# KiCad board SlowLampLEDPanel.kicad_pcb (continued)
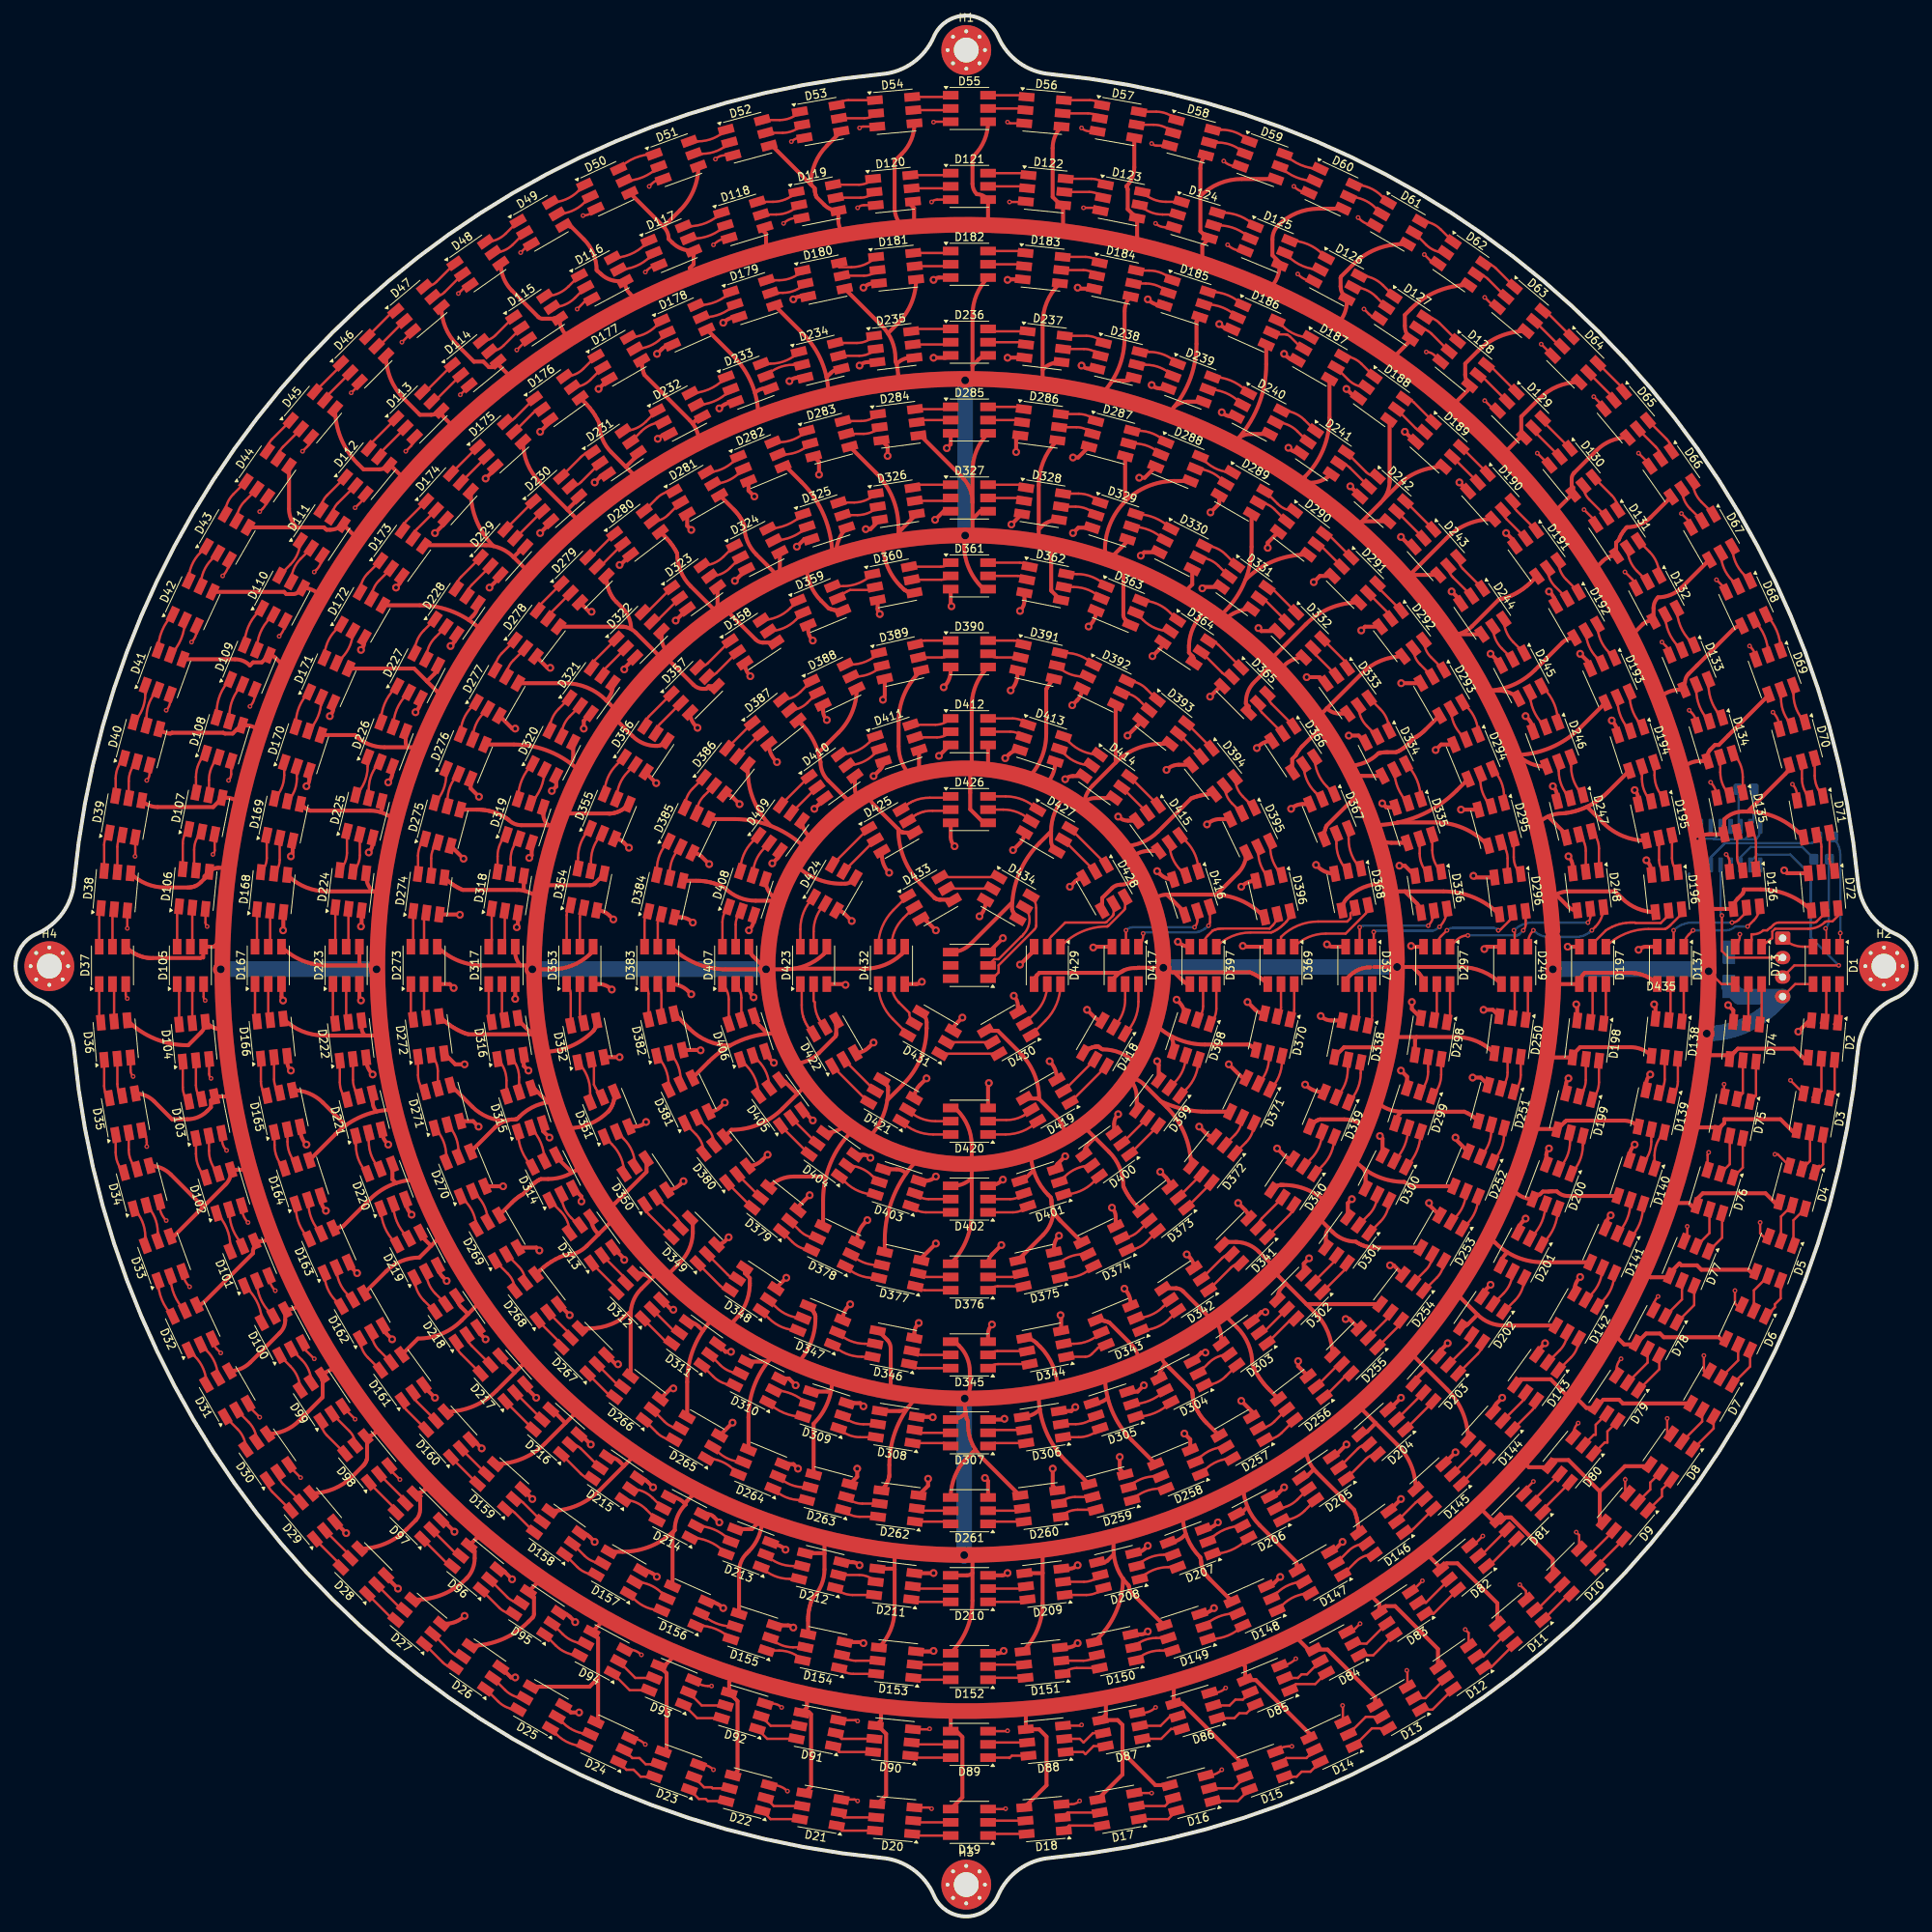
[diagram p0: board, top side]
## Routing (per net, layer and track width the routed paths; a pad name or vN(x,y) marks a point on that pad's centre or on a via; arc(x,y) is an arc through that point) (continued)
  Top w0.5: v3(219.84,116.98) 220.5,116.32 D74.3 ; v3(87.54,152.58) 87.3,152.82 arc(86.77,153.61) D357.3 ; v3(97.34,109.58) 96.55,110.37 arc(96.34,110.68) D406.3 ; v3(66.34,53.58) 65.19,54.73 arc(65.15,54.79) D159.3 ; D312.3 84.19,77.88 v3(84.44,77.88) ; v3(117.74,64.08) 117.69,64.12 D308.3 ; v3(144.84,68.18) 144.03,67.37 D305.3 ; D351.3 79.49,101.38 arc(80.27,101.53) v3(80.94,101.98) ; D196.3 210,133.97 arc(209.83,134.84) v3(209.34,135.58) ; v3(73.94,167.48) 73.64,167.48 D279.3 ; v3(161.94,98.58) 162.81,97.7 arc(163.33,97.36) D340.3 ; v3(176.44,83.58) 176.91,83.58 D254.3 ; D337.3 169.06,124.48 arc(168.67,124.56) v3(168.34,124.78) ; v3(155.74,109.38) 157.14,107.97 arc(157.53,107.71) D371.3 ; D333.3 167.4,159.08 v3(165.74,159.08) ; D399.3 146.74,109.28 arc(146.69,109.55) v3(146.54,109.78) ; v3(60.34,74.08) 59.76,74.65 arc(59.47,75.1) D218.3 ; D247.3 197.89,143.75 arc(197.74,144.47) v3(197.34,145.08) ; D27.3 55.21,37.57 arc(56.52,37.84) v3(57.64,38.58) ; v3(184.84,99.98) 184.84,99.78 D252.3 ; D374.3 141.22,89.82 arc(141.09,90.45) v3(140.74,90.98) ; v3(97.74,148.18) 97.59,148.32 arc(96.92,149.33) D387.3 ; D300.3 175.47,99.84 v3(175.14,100.18) ; v3(68.64,160.28) 68.26,160.28 D278.3 ; v3(55.34,81.58) 54.84,82.08 arc(54.38,82.76) D219.3 ; v3(200.84,162.08) 201.7,161.22 arc(202.02,160.74) D193.3 ; D150.3 144.44,36.21 arc(144.93,36.3) v3(145.34,36.58) ; D297.3 179.24,124.48 v3(179.14,124.58) ; D280.3 77.63,173.48 v3(77.54,173.48) ; v3(188.44,116.38) 189.63,116.38 D250.3 ; v3(97.14,135.18) 97.71,135.75 arc(98.02,136.22) D409.3 ; D408.3 94.78,128.13 arc(94.61,127.29) v3(94.14,126.58) ; D214.3 88.84,51.63 arc(89.25,51.55) 89.6,51.32 v3(90.34,50.58) ; D311.3 91.13,72.48 v3(91.84,72.48) ; D199.3 199.04,106.85 arc(199.11,107.25) v3(199.34,107.58) ; D26.3 63.59,30.68 v3(64.14,30.68) ; D220.3 50.08,91.92 arc(50.27,90.92) v3(50.84,90.08) ; D25.3 71.27,26.18 v3(72.34,26.18) ; D434.3 124.51,130.24 arc(124.31,129.23) v3(123.74,128.38) ; D234.3 100.42,197.53 arc(99.84,197.41) v3(99.34,197.08) ; v3(177.84,177.08) 178.88,176.04 arc(179.14,175.86) D243.3 ; v3(136.04,65.38) 135.53,64.87 D306.3 ; v3(111.94,187.48) 111.94,188.69 D284.3 ; D270.3 v3(62.58,93.72) ; D407.3 94.14,119.43 arc(94.29,118.64) v3(94.74,117.98) ; D293.3 v3(177.87,158.31) ; D276.3 58.42,144.8 v3(59.49,143.73) 59.54,143.68 ; v3(162.84,200.58) 163.07,200.34 arc(163.73,199.9) D187.3 ; D259.3 141.74,57.42 v3(141.74,58.98) ; D211.3 117.79,44.06 arc(117.82,44.07) v3(117.84,44.08) ; v3(118.14,86.38) 116.46,84.7 arc(116.31,84.47) D377.3 ; D328.3 v3(127.83,178.68) 127.83,178.68 ; D154.3 108.52,35.21 arc(108.69,35.18) v3(108.84,35.08) ; D388.3 103.66,154.74 arc(103.78,154.11) v3(104.14,153.58) ; D29.3 v3(42.44,49.21) ; v3(196.84,170.08) 197.07,169.85 arc(197.54,169.14) D192.3 ; D223.3 44.14,118.06 arc(44.19,117.8) v3(44.34,117.58) ; D271.3 58.73,102.08 v3(59.44,101.38) ; D274.3 57,128.61 v3(57.04,128.58) ; D181.3 110.2,209.64 arc(109.46,209.5) v3(108.84,209.08) ; D275.3 v3(57.5,135.78) ; v3(48.84,170.58) 49.09,170.83 arc(49.46,171.39) D173.3 ; D332.3 159.92,165 v3(159.54,165.38) ; v3(73.84,60.58) 72.7,61.72 arc(72.52,61.84) D216.3 ; D296.3 187.34,133.37 v3(187.14,133.58) ; v3(57.64,109.38) 56.44,109.38 D272.3 ; v3(91.54,87.18) 91.01,86.66 arc(90.54,86.34) D349.3 ; v3(86.74,118.38) 86.36,118.76 arc(85.34,119.44) D383.3 ; D426.3 120.04,138.59 arc(120.17,137.93) v3(120.54,137.38) ; D324.3 v3(92.34,171.44) ; v3(144.24,184.68) 144.94,184.68 D288.3 ; D240.3 156.17,192.53 arc(155.45,192.67) v3(154.84,193.08) ; v3(82.34,200.58) 82.96,201.2 arc(83.59,201.62) D178.3 ; D326.3 109.74,178.08 v3(109.14,178.08) ; v3(193.84,89.58) 193.46,89.2 arc(193.03,88.56) D201.3 ; D72.3 227.41,133.91 v3(227.04,134.28) ; D168.3 34.37,126.66 arc(34.36,126.62) v3(34.34,126.58) ; D314.3 72.64,92.42 v3(72.64,91.78) ; v3(177.84,108.58) 178.63,107.79 D299.3 ; v3(187.04,107.68) 188.07,107.68 D251.3 ; v3(92.04,63.38) 90.4,61.75 arc(90.39,61.73) D265.3 ; v3(64.14,152.48) 63.76,152.48 D277.3 ; 182.14,149.58 v3(182.29,149.73) 182.99,150.43 D294.3 ; v3(48.34,74.08) 47.59,74.82 arc(47.28,75.3) D162.3 ; D361.3 120.04,168.42 arc(120.06,168.29) v3(120.14,168.18) ; v3(137.74,165.58) 137.94,165.79 arc(138.51,166.63) D363.3 ; v3(135.34,132.18) 136.03,132.87 arc(136.51,133.19) D428.3 ; v3(157.34,66.18) 158.67,64.85 D257.3 ; D185.3 147.22,206.8 arc(146.2,207) v3(145.34,207.58) ; v3(71.84,37.78) 71.16,38.46 arc(70.54,38.87) D95.3 ; v3(117.84,200.08) 119.31,200.08 arc(119.7,200.16) D236.3 ; D210.3 126.61,43.78 arc(127,43.86) v3(127.34,44.08) ; v3(74.84,196.08) 76.04,197.28 arc(76.11,197.33) D177.3 ; D268.3 v3(71.13,77.18) ; v3(126.94,63.88) 126.84,63.78 D307.3 ; v3(65.84,108.58) 65.23,109.19 D316.3 ; D180.3 100.73,207.95 arc(100.25,207.85) v3(99.84,207.58) ; D227.3 51.99,156.16 arc(51.82,155.3) v3(51.34,154.58) ; D167.3 34.14,118.06 arc(34.19,117.8) v3(34.34,117.58) ; v3(151.94,101.38) 152.79,100.53 arc(153.29,100.19) D372.3 ; D151.3 134.97,34.51 arc(135.71,34.66) v3(136.34,35.08) ; D235.3 109.4,199.52 arc(108.82,199.4) v3(108.34,199.08) ; 126.94,148.58 v3(127.04,148.68) 127.52,149.17 arc(128.15,149.59) D413.3 ; D353.3 74.85,119.68 arc(75.76,119.5) v3(76.54,118.98) ; v3(53.84,66.58) 52.57,67.84 arc(52.45,68.02) D161.3 ; v3(191.34,177.58) 192.09,176.83 arc(192.36,176.41) D191.3 ; v3(152.34,170.48) 152.51,170.66 D331.3 ; D172.3 44.77,163.62 arc(44.66,163.06) v3(44.34,162.58) ; D420.3 124.84,106.74 arc(124.86,106.87) v3(124.94,106.98) ; D343.3 143.14,78.65 arc(142.93,79.69) v3(142.34,80.58) ; v3(109.34,89.38) 109.04,89.08 arc(108.26,87.91) D378.3 ; D395.3 154.58,140.86 arc(153.69,140.68) v3(152.94,140.18) ; v3(128.44,187.98) 128.44,189.57 D286.3 ; v3(185.34,184.08) 186.44,182.98 arc(186.45,182.96) D190.3 ; v3(177.64,134.88) 178.33,134.88 D336.3 ; v3(160.44,77.58) 159.9,77.58 D303.3 ; D400.3 141.01,101.71 arc(141.15,102.4) v3(141.54,102.98) ; v3(47.84,99.08) 47.75,99.17 arc(47.19,100.01) D221.3 ; 200.74,124.49 D197.3 v3(199.24,124.48) ; v3(118.04,179.28) 119.14,180.38 D327.3 ; v3(126.74,94.58) 126.71,94.56 arc(125.85,93.98) D402.3 ; v3(96.54,97.78) 95.85,97.1 arc(95,96.52) D380.3 ; D249.3 188.84,124.48 v3(188.54,124.18) ; 153.34,180.18 v3(153.39,180.23) 154.51,181.35 D289.3 ; D321.3 72.94,153.48 v3(72.94,152.48) ; D339.3 167.87,105.81 arc(166.61,106.06) v3(165.54,106.78) ; v3(135.74,177.58) 136.43,178.27 D329.3 ; D325.3 101.24,176.78 v3(100.29,175.83) 100.24,175.78 ; D430.3 128.67,116.9 arc(128.53,117.59) v3(128.14,118.18) ; 84.74,166.28 v3(84.74,166.34) D323.3 ; D166.3 34.87,109.7 arc(34.99,109.09) v3(35.34,108.58) ; D330.3 144.87,175.11 v3(144.44,174.68) ; D287.3 136.4,187.28 v3(135.74,187.28) ; D362.3 129.51,168.95 arc(129.36,168.21) v3(128.94,167.58) ; D155.3 99.16,37.36 arc(99.53,37.29) v3(99.84,37.08) ; v3(126.54,86.18) 125.33,84.97 arc(124.97,84.43) D376.3 ; v3(142.74,151.58) 144.27,153.11 arc(144.4,153.3) D393.3 ; D2.3 230.29,115.03 v3(228.84,113.58) ; v3(74.34,48.08) 73.68,48.73 arc(73.13,49.1) D158.3 ; 133.14,57.58 v3(133.14,57.48) 133.14,55.27 D260.3 ; D273.3 55.74,119.68 v3(56.24,119.18) ; v3(68.54,99.98) 67.73,100.78 D315.3 ; v3(107.34,127.78) 106.37,128.74 arc(105.92,129.04) D424.3 ; v3(196.34,73.58) 195.57,72.81 arc(195.36,72.5) D143.3 ; v3(189.34,81.08) 188.53,80.27 arc(188.31,79.95) D202.3 ; D290.3 160.74,176.35 v3(160.74,175.68) ; D335.3 175.94,142.38 v3(175.44,142.88) ; v3(66.84,66.58) 65.68,67.74 arc(65.49,68.02) D217.3 ; D291.3 167.43,172.07 v3(166.64,171.28) ; D138.3 210.5,116.68 arc(210.46,116.89) v3(210.34,117.08) ; D375.3 133.3,85.84 arc(133.46,86.67) v3(133.94,87.38) ; D318.3 64.48,127.12 v3(64.34,126.98) ; D152.3 126.11,33.78 arc(126.5,33.86) v3(126.84,34.08) ; 127.94,136.78 v3(128.04,136.88) 128.96,137.8 arc(129.37,138.41) D427.3 ; D317.3 v3(64.14,117.78) ; v3(100.14,68.18) 99.27,69.04 D310.3 ; D390.3 120.04,159.95 arc(119.8,158.78) v3(119.14,157.78) ; v3(100.44,57.48) 99.86,58.06 D264.3 ; D238.3 137.8,198.68 arc(137.28,198.78) v3(136.84,199.08) ; D403.3 116.79,94.42 arc(117.52,94.57) v3(118.14,94.98) ; v3(171.54,92.08) 171.01,91.56 D301.3 ; v3(76.74,127.98) 76.25,128.46 arc(75.49,128.97) D354.3 ; v3(156.94,91.58) 157.86,90.66 arc(158.18,90.18) D341.3 ; v3(179.24,117.38) 179.24,116.49 D298.3 ; v3(108.04,57.48) 108.04,56.44 D263.3 ; v3(43.84,82.58) 42.96,83.46 arc(42.8,83.69) D163.3 ; D169.3 35.57,136.64 arc(35.51,136.33) v3(35.34,136.08) ; D359.3 101.74,165.23 arc(101.89,164.44) v3(102.34,163.78) ; D255.3 171.23,76.68 v3(170.74,76.68) ; v3(102.54,142.18) 103.82,143.46 arc(103.85,143.51) D410.3 ; v3(119.54,188.48) 120.04,188.98 D285.3 ; v3(181.44,91.58) 181.44,91.36 D253.3 ; D304.3 152.2,72.38 v3(152.74,72.38) ; D415.3 142.8,140.66 arc(142.12,140.79) v3(141.54,141.18) ; D239.3 146.89,196.14 arc(146.32,196.26) v3(145.84,196.58) ; D225.3 45.84,137.79 arc(45.71,137.13) v3(45.34,136.58) ; v3(170.34,48.08) 169.35,47.09 arc(169.04,46.88) D147.3 ; D269.3 66.87,85.85 v3(67.24,85.48) ; D153.3 117.67,34.01 arc(117.76,34.03) v3(117.84,34.08) ; v3(150.34,84.98) 150.7,84.61 arc(151.12,83.99) D342.3 ; v3(56.34,49.38) 55,50.72 arc(54.83,50.83) D97.3 ; v3(162.84,55.08) 162.1,54.34 arc(161.57,53.99) D206.3 ; D292.3 173.22,165.56 v3(172.74,165.08) ; v3(166.04,84.48) 165.36,83.8 D302.3 ; D171.3 40.79,155.18 arc(40.68,154.59) v3(40.34,154.08) ; D222.3 45,110.11 arc(45.22,109.01) v3(45.84,108.08) ; D338.3 168.91,115.01 arc(168.17,115.16) v3(167.54,115.58) ; D344.3 134.21,76.99 arc(134.19,77.09) v3(134.14,77.18) ; v3(121.54,115.38) 120.73,114.57 arc(120.46,114.17) D431.3 ; v3(110.14,112.18) 109.53,111.57 arc(108.73,111.04) D422.3 ; v3(53.84,177.58) 54.91,178.65 arc(55.13,178.99) D174.3 ; v3(59.84,60.08) 58.9,61.01 arc(58.68,61.16) D160.3 ; v3(86.74,177.98) 86.21,178.51 D281.3 ; v3(145.34,47.58) 145.01,47.25 arc(144.32,46.79) D208.3 ; 135.54,155.38 v3(135.64,155.48) 136.26,156.1 arc(136.73,156.8) D392.3 ; v3(153.34,156.58) 154.54,157.78 arc(154.7,157.89) D365.3 ; v3(65.94,135.88) 66.25,136.19 D319.3 ; D165.3 36.57,100.94 arc(36.77,99.93) v3(37.34,99.08) ; v3(85.74,94.38) 85.31,93.95 arc(84.53,93.43) D350.3 ; v3(81.84,55.08) 81.14,55.78 arc(80.59,56.15) D215.3 ; 176.44,65.18 v3(177.84,66.58) ; D283.3 103.14,186.74 v3(103.14,185.08) ; v3(184.84,59.58) 183.34,58.08 arc(183.32,58.07) D145.3 ; D209.3 135.28,44.64 arc(135.85,44.75) v3(136.34,45.08) ; D346.3 115.37,74.81 arc(115.52,75.55) v3(115.94,76.18) ; v3(98.94,81.98) 97.64,80.68 arc(97.61,80.64) D348.3 ; D391.3 128.62,159.51 arc(128.39,158.36) v3(127.74,157.38) ; D170.3 37.72,146 arc(37.62,145.5) v3(37.34,145.08) ; D139.3 209.31,106.8 arc(209.44,107.49) v3(209.84,108.08) ; D322.3 78.14,160.23 v3(78.14,160.08) ; D137.3 209.3,124.48 arc(208.78,124.38) v3(208.34,124.08) ; D309.3 108.43,65.89 v3(108.84,65.48) ; v3(78.14,84.28) 78.14,84.41 D313.3 ; D417.3 138.58,124.48 arc(138.45,124.45) v3(138.34,124.38) ; v3(84.44,67.78) 84.11,67.78 D266.3 ; v3(102.34,102.18) 101.06,103.46 arc(101.01,103.49) D405.3 ; D226.3 48.37,146.88 arc(48.23,146.17) v3(47.84,145.58) ; v3(145.94,161.78) 146.95,162.8 arc(147.19,163.15) D364.3 ; D295.3 v3(185.54,142.07) ; D367.3 165.19,142.78 arc(164.4,142.62) v3(163.74,142.18) ; v3(67.34,177.58) 68.62,178.86 arc(68.69,178.97) D230.3 ; D423.3 106.3,119.68 arc(106.43,119.65) v3(106.54,119.58) ; D262.3 117.14,55.29 v3(117.14,56.18) ; v3(190.84,66.58) 190.11,65.85 arc(189.78,65.36) D144.3 ; D212.3 107.37,45.48 arc(107.89,45.38) v3(108.34,45.08) ; D248.3 199.88,134.78 arc(199.74,135.48) v3(199.34,136.08) ; v3(137.54,116.38) 138.5,115.42 arc(138.95,115.11) D418.3 ; D261.3 124.84,55.88 v3(124.44,56.28) ; v3(193.84,154.08) 194.07,153.85 arc(194.61,153.04) D246.3 ; 91.14,104.58 v3(91.04,104.48) 90.48,103.93 arc(89.79,103.46) D381.3 ; D345.3 124.84,74.77 arc(124.97,75.43) v3(125.34,75.98) ; v3(146.54,134.18) 146.9,133.81 arc(147.69,133.29) D416.3 ; D258.3 150.79,61.22 v3(150.04,61.98) ; v3(101.94,92.58) 100.74,91.39 arc(100.51,91.04) D379.3 ; D140.3 207.16,97.44 arc(207.33,98.33) v3(207.84,99.08) ; v3(128.94,122.18) 130.38,123.63 arc(130.64,124.02) D429.3 ; v3(107.14,78.58) 106.93,78.37 arc(106.37,77.53) D347.3 ; v3(171.14,151.58) 172.4,151.58 D334.3 ; D195.3 208.31,143.44 arc(208.19,144.06) v3(207.84,144.58) ; v3(92.94,142.78) 92.08,143.63 arc(91.59,143.97) D386.3 ; D419.3 133.67,107.54 arc(133.42,108.75) v3(132.74,109.78) ; D198.3 200.46,116.79 arc(200.42,116.95) v3(200.34,117.08) ; D414.3 135.72,146.39 arc(135.19,146.28) v3(134.74,145.98) ; v3(183.84,73.58) 182.94,72.68 arc(182.71,72.35) D203.3 ; v3(159.34,149.98) 159.56,150.2 arc(160.34,150.73) D366.3 ; v3(110.14,146.38) 110.98,147.23 arc(111.3,147.7) D411.3 ; D184.3 136.65,208.95 arc(136.48,208.98) v3(136.34,209.08) ; D233.3 92.41,194.44 arc(91.29,194.22) v3(90.34,193.58) ; D404.3 108.79,97.77 arc(109.3,97.67) v3(109.74,97.38) ; v3(77.34,70.88) 77.05,70.88 D267.3 ; v3(164.64,71.28) 164.64,70.64 D256.3 ; v3(63.74,43.28) 62.81,44.21 arc(62.41,44.48) D96.3 ; D179.3 92.62,205.32 arc(91.65,205.12) v3(90.84,204.58) ; v3(116.94,107.58) 116.06,106.7 arc(115.54,105.93) D421.3 ; v3(166.94,134.98) 167.15,134.76 arc(168.16,134.09) D368.3 ; v3(55.84,163.08) 56.13,163.38 arc(56.5,163.93) D228.3 ; v3(162.34,43.58) 161.57,42.82 arc(161.1,42.5) D148.3 ; D425.3 111.21,136.22 arc(111.45,135.01) v3(112.14,133.98) ; D200.3 196.5,97.77 arc(196.59,98.21) v3(196.84,98.58) ; v3(170.84,60.58) 169.52,59.26 arc(169.23,59.07) D205.3 ; v3(184.34,170.08) 185.25,169.16 arc(185.45,168.87) D244.3 ; D369.3 157.78,124.48 arc(157.65,124.51) v3(157.54,124.58) ; v3(78.74,137.18) 78.05,137.87 arc(77.52,138.22) D355.3 ; D382.3 87.85,111.22 arc(87.9,111.21) v3(87.94,111.18) ; D237.3 127.38,200.1 arc(127.36,200.09) v3(127.34,200.08) ; v3(178.34,190.58) 179.52,189.39 arc(179.62,189.33) D189.3 ; v3(94.84,182.28) 94.08,183.03 D282.3 ; D384.3 85.29,128.26 arc(86.18,128.08) v3(86.94,127.58) ; v3(74.34,184.08) 75.01,184.75 arc(75.46,185.05) D231.3 ; v3(68.84,144.48) 69.4,145.04 D320.3 ; D389.3 111.57,156.75 arc(111.51,156.44) v3(111.34,156.18) ; v3(126.74,125.58) 125.01,123.85 arc(124.93,123.8) D435.3 ; v3(189.34,162.08) 190.53,160.88 arc(190.62,160.75) D245.3 ; v3(67.34,190.58) 68.4,191.65 arc(68.54,191.86) D176.3 ; 82.34,145.38 v3(82.24,145.48) 81.05,146.67 arc(80.97,146.78) D356.3 ; D182.3 118.56,210.38 arc(118.17,210.3) v3(117.84,210.08) ; v3(60.84,170.58) 62.08,171.82 arc(62.2,172) D229.3 ; v3(170.84,196.08) 171.7,195.21 arc(172.02,195) D188.3 ; D432.3 115.61,119.68 arc(116,119.76) v3(116.34,119.98) ; 89.14,134.98 v3(89.04,135.08) 88.07,136.04 arc(87.53,136.41) D385.3 ; D142.3 200.11,80.32 arc(200.3,81.27) v3(200.84,82.08) ; 148.94,117.78 v3(149.04,117.68) 149.38,117.33 arc(149.91,116.55) D398.3 ; v3(118.14,126.58) 116.96,127.76 arc(116.62,127.99) D433.3 ; D164.3 39.2,92.12 arc(39.37,91.28) v3(39.84,90.58) ; D394.3 149.32,147.84 arc(148.46,147.66) v3(147.74,147.18) ; v3(49.09,42.08) 47.55,43.61 D28.3 ; v3(146.94,95.58) 147.7,94.81 arc(148.07,94.27) D373.3 ; D224.3 44.42,127.28 arc(44.4,127.17) v3(44.34,127.08) ; D396.3 159.18,132.94 arc(158.18,132.74) v3(157.34,132.18) ; v3(177.84,53.58) 176.33,52.08 arc(176.31,52.06) D146.3 ; D183.3 127.5,210.15 arc(127.41,210.13) v3(127.34,210.08) ; D352.3 v3(77.54,110.3) 77.55,110.3 arc(77.65,110.32) 77.74,110.38 ; v3(154.34,50.58) 154.2,50.45 arc(153.4,49.91) D207.3 ; v3(158.14,117.38) 159.13,116.39 arc(159.67,116.02) D370.3 ; v3(118.54,148.98) 119.87,150.31 arc(119.94,150.36) D412.3 ; D360.3 110.66,167.85 arc(110.73,167.49) v3(110.94,167.18) ; v3(60.34,184.58) 61.37,185.61 arc(61.52,185.83) D175.3 ; v3(171.34,183.58) 172.51,182.41 arc(172.55,182.35) D242.3 ; v3(134.74,97.58) 133.75,96.59 arc(133.54,96.28) D401.3 ; D194.3 arc(205.47,152.66) v3(204.9,153.52) ; 152.06,38.84 arc(153.02,39.03) v3(153.84,39.58) ; D232.3 arc(83.12,190.14) v3(82.44,189.68) ; D358.3 arc(93.79,159.98) v3(94.31,159.2) ; D141.3 arc(204.26,89.25) v3(204.76,90) ; 88.77,40.44 arc(89.89,40.21) v3(90.84,39.58) ; D397.3 arc(149.91,124.64) v3(149.2,125.12) ; D186.3 arc(155.27,203.9) v3(154.51,204.4) ; D241.3 arc(164.1,188.05) v3(163.39,188.52) ; 97.16,47.78 arc(98.07,47.59) v3(98.84,47.08) ; D157.3 arc(81.42,44.2) v3(82.31,43.6)
  Bottom w0.2: 226.14,126.27 J2.1
  Bottom w0.3: 221.19,144.68 221.19,140.48 arc(221.25,140.18) U1.12 ; 214.76,133.63 214.76,133.71 214.77,133.77 214.83,133.88
